# Altium PCB graviton.PcbDoc (part 9 of 15)
Units mm, origin at the board's own origin, x right, y up, seen from the top; angles counter-clockwise.
Board outline 200 x 200 mm, 10 copper layers (TOP, POLYGON1, S1, POLYGON2, POLYGON3, POLYGON4, POLYGON5, S2, POLYGON6, BOT), stack 1.751 mm thick; 1317 components, 712 nets, 5121 pads, 3994 vias.
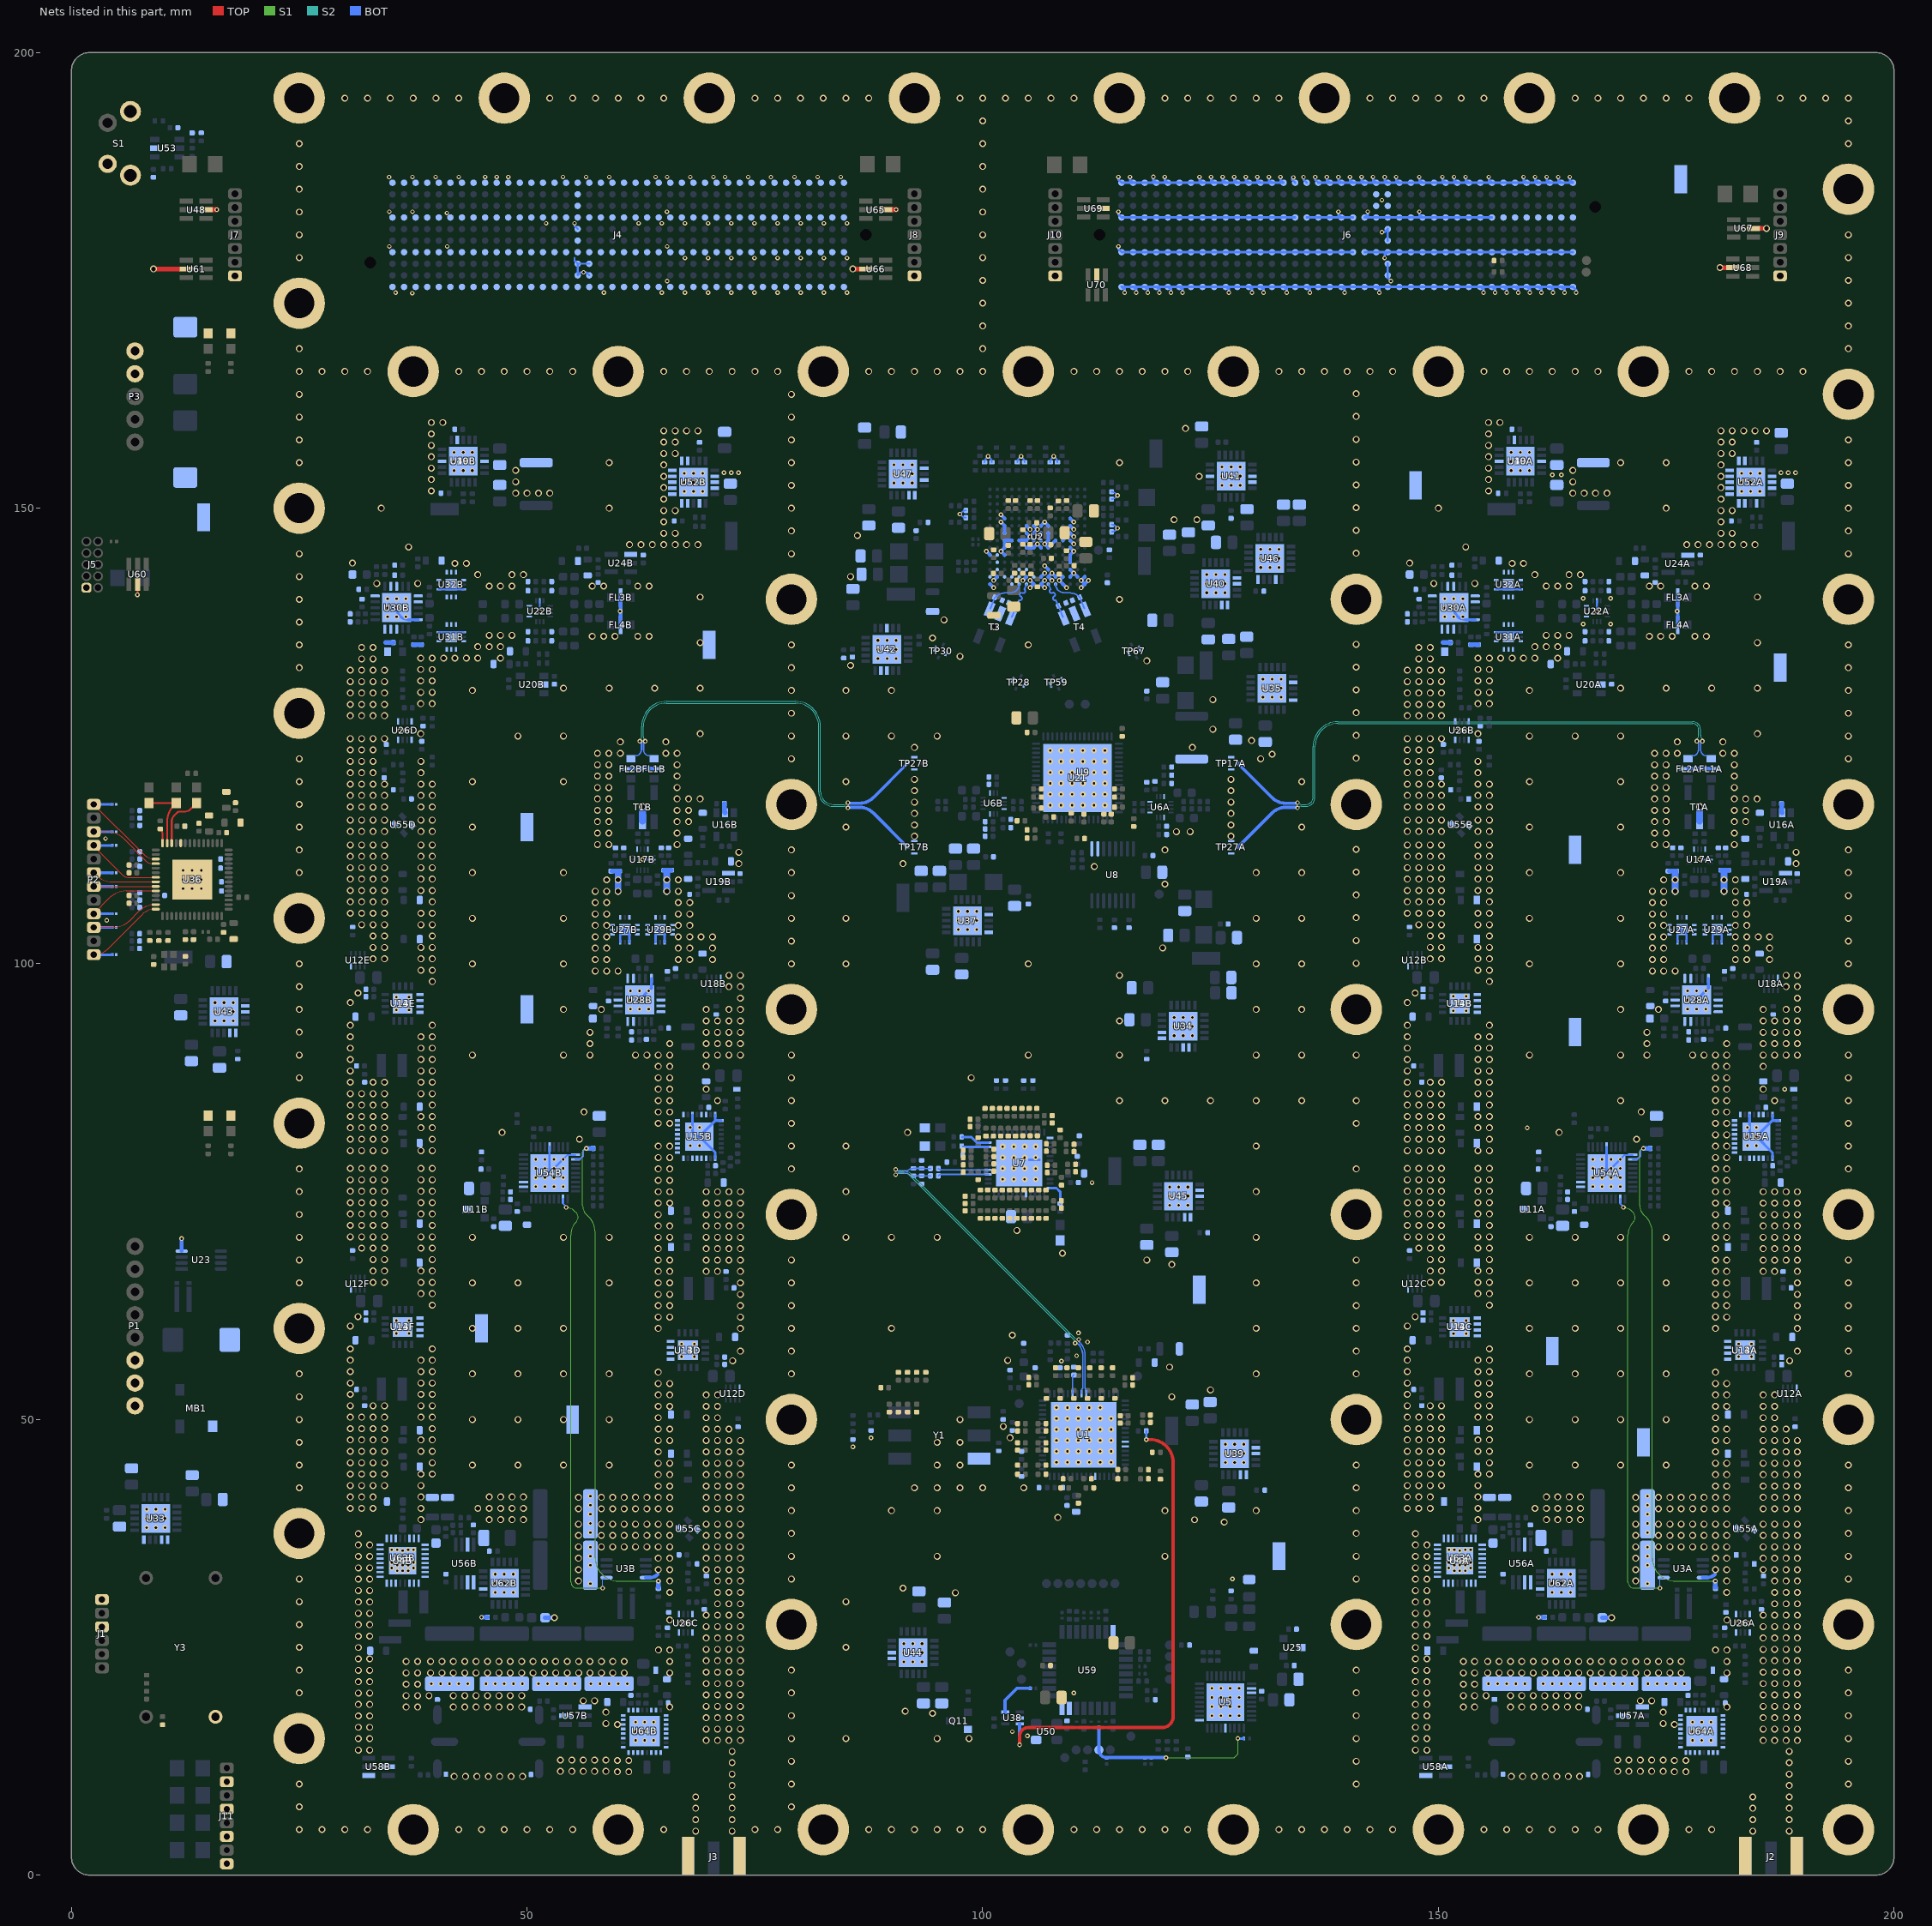
[diagram p17: the nets of this part, all layers, seen from the top]

## Via types
v1: diameter 0.75, hole 0.5, TOP to BOT, tented both sides, 2608 vias
v2: diameter 0.508, hole 0.254, TOP to BOT, tented both sides, 628 vias
v3: diameter 0.483, hole 0.254, TOP to BOT, tented both sides, 455 vias
v4: diameter 0.5, hole 0.3, TOP to BOT, tented both sides, 169 vias
v5: diameter 0.635, hole 0.254, TOP to BOT, tented both sides, 86 vias
v6: diameter 0.5, hole 0.254, TOP to BOT, tented both sides, 48 vias

## Nets (pads, with @x,y where several pads share a name; then routed paths per layer and width w, separated by ;. In a path a pad name is that pad's centre, name@x,y a point inside that pad or via, vN(x,y) a via of type N, cw(c..) or ccw(c..) an arc to the next point about the centre after c; other vN are vias at no path point) (continued)
GND: (continued)
  other v1: 68.5,4.84 72.5,4.84 184.5,4.84 188.5,4.84 25,5 27.5,5 30,5 32.5,5 42.5,5 45,5 47.5,5 50,5 52.5,5 55,5 65,5 75,5 77.5,5 87.5,5 90,5 92.5,5 95,5 97.5,5 100,5 110,5 112.5,5 115,5 117.5,5 120,5 122.5,5 132.5,5 135,5 137.5,5 140,5 142.5,5 145,5 155,5 157.5,5 160,5 162.5,5 165,5 167.5,5 177.5,5 180,5 68.5,6.09 72.5,6.09 184.5,6.09 188.5,6.09 68.5,7.34 72.5,7.34 184.5,7.34 188.5,7.34 25,7.5 79,7.5 68.5,8.59 72.5,8.59 184.5,8.59 188.5,8.59 72.5,9.84 188.5,9.84 25,10 79,10 141,10 195,10 42,10.825 43.25,10.825 44.5,10.825 45.75,10.825 47,10.825 48.25,10.825 49.5,10.825 158,10.825 159.25,10.825 160.5,10.825 161.75,10.825 163,10.825 164.25,10.825 165.5,10.825 72.5,11.09 188.5,11.09 59.91,11.338 61.16,11.338 175.91,11.338 177.16,11.338 53.66,11.388 54.91,11.388 56.16,11.388 57.41,11.388 58.66,11.388 169.66,11.388 170.91,11.388 172.16,11.388 173.41,11.388 174.66,11.388 72.5,12.34 188.5,12.34 79,12.5 141,12.5 195,12.5 59.91,12.588 61.16,12.588 175.91,12.588 177.16,12.588 53.66,12.638 54.91,12.638 56.16,12.638 57.41,12.638 58.66,12.638 169.66,12.638 170.91,12.638 172.16,12.638 173.41,12.638 174.66,12.638 72.5,13.59 188.5,13.59 31.485,13.73 32.735,13.73 147.485,13.73 148.735,13.73 69.65,14.778 70.9,14.778 72.15,14.778 73.4,14.778 185.65,14.778 186.9,14.778 188.15,14.778 189.4,14.778 31.485,14.98 32.735,14.98 147.485,14.98 148.735,14.98 79,15 85,15 95,15 98.5,15 141,15 195,15 69.65,16.028 70.9,16.028 72.15,16.028 73.4,16.028 185.65,16.028 186.9,16.028 188.15,16.028 189.4,16.028 31.485,16.23 32.735,16.23 147.485,16.23 148.735,16.23 59.91,16.538 175.91,16.538 58.66,16.638 174.66,16.638 69.65,17.278 70.9,17.278 72.15,17.278 73.4,17.278 185.65,17.278 186.9,17.278 188.15,17.278 189.4,17.278 31.485,17.48 32.735,17.48 147.485,17.48 148.735,17.48 79,17.5 141,17.5 195,17.5 94.5,17.75 58.66,17.888 174.66,17.888 91.5,18 36.735,18.45 37.985,18.45 41.91,18.45 43.16,18.45 44.41,18.45 45.66,18.45 46.91,18.45 48.16,18.45 49.41,18.45 65.66,18.45 152.735,18.45 153.985,18.45 157.91,18.45 159.16,18.45 160.41,18.45 161.66,18.45 162.91,18.45 164.16,18.45 165.41,18.45 181.66,18.45 69.65,18.528 70.9,18.528 72.15,18.528 73.4,18.528 185.65,18.528 186.9,18.528 188.15,18.528 189.4,18.528 31.485,18.73 32.735,18.73 147.485,18.73 148.735,18.73 56.16,19.138 57.41,19.138 172.16,19.138 173.41,19.138 36.735,19.7 37.985,19.7 39.235,19.7 41.91,19.7 43.16,19.7 44.41,19.7 45.66,19.7 46.91,19.7 48.16,19.7 49.41,19.7 152.735,19.7 153.985,19.7 155.235,19.7 157.91,19.7 159.16,19.7 160.41,19.7 161.66,19.7 162.91,19.7 164.16,19.7 165.41,19.7 69.65,19.778 70.9,19.778 72.15,19.778 73.4,19.778 185.65,19.778 186.9,19.778 188.15,19.778 189.4,19.778 31.485,19.98 32.735,19.98 147.485,19.98 148.735,19.98 25,20 79,20 141,20 195,20 36.735,20.95 37.985,20.95 152.735,20.95 153.985,20.95 69.65,21.028 70.9,21.028 72.15,21.028 73.4,21.028 185.65,21.028 186.9,21.028 188.15,21.028 189.4,21.028 31.485,21.23 32.735,21.23 147.485,21.23 148.735,21.23 36.735,22.2 37.985,22.2 39.41,22.2 40.66,22.2 41.91,22.2 43.16,22.2 44.41,22.2 45.66,22.2 46.91,22.2 48.16,22.2 49.41,22.2 50.66,22.2 51.91,22.2 53.16,22.2 54.41,22.2 55.66,22.2 56.91,22.2 58.16,22.2 59.41,22.2 60.66,22.2 65.66,22.2 152.735,22.2 153.985,22.2 155.41,22.2 156.66,22.2 157.91,22.2 159.16,22.2 160.41,22.2 161.66,22.2 162.91,22.2 164.16,22.2 165.41,22.2 166.66,22.2 167.91,22.2 169.16,22.2 170.41,22.2 171.66,22.2 172.91,22.2 174.16,22.2 175.41,22.2 176.66,22.2 181.66,22.2 69.65,22.278 70.9,22.278 72.15,22.278 73.4,22.278 185.65,22.278 186.9,22.278 188.15,22.278 189.4,22.278 25,22.5 31.485,22.48 32.735,22.48 79,22.5 141,22.5 147.485,22.48 148.735,22.48 195,22.5 36.735,23.45 37.985,23.45 39.41,23.45 40.66,23.45 41.91,23.45 43.16,23.45 44.41,23.45 45.66,23.45 46.91,23.45 48.16,23.45 49.41,23.45 50.66,23.45 51.91,23.45 53.16,23.45 54.41,23.45 55.66,23.45 56.91,23.45 58.16,23.45 59.41,23.45 60.66,23.45 65.66,23.45 152.735,23.45 153.985,23.45 155.41,23.45 156.66,23.45 157.91,23.45 159.16,23.45 160.41,23.45 161.66,23.45 162.91,23.45 164.16,23.45 165.41,23.45 166.66,23.45 167.91,23.45 169.16,23.45 170.41,23.45 171.66,23.45 172.91,23.45 174.16,23.45 175.41,23.45 176.66,23.45 181.66,23.45 69.65,23.528 70.9,23.528 72.15,23.528 73.4,23.528 185.65,23.528 186.9,23.528 188.15,23.528 189.4,23.528 31.485,23.73 32.735,23.73 147.485,23.73 148.735,23.73 64.41,24.7 65.66,24.7 180.41,24.7 181.66,24.7 69.65,24.778 70.9,24.778 72.15,24.778 73.4,24.778 185.65,24.778 186.9,24.778 188.15,24.778 189.4,24.778 31.485,24.98 147.485,24.98 25,25 85,25 69.65,26.028 70.9,26.028 72.15,26.028 73.4,26.028 185.65,26.028 186.9,26.028 188.15,26.028 189.4,26.028 31.485,26.23 32.735,26.23 147.485,26.23 148.735,26.23 69.65,27.278 70.9,27.278 72.15,27.278 73.4,27.278 185.65,27.278 186.9,27.278 188.15,27.278 189.4,27.278 31.485,27.48 32.735,27.48 147.485,27.48 148.735,27.48 25,27.5 65.66,28 181.66,28 69.65,28.528 70.9,28.528 72.15,28.528 73.4,28.528 185.65,28.528 186.9,28.528 188.15,28.528 189.4,28.528 31.485,28.73 32.735,28.73 147.485,28.73 148.735,28.73 70.9,29.778 72.15,29.778 73.4,29.778 186.9,29.778 188.15,29.778 189.4,29.778 31.485,29.98 32.735,29.98 147.485,29.98 148.735,29.98 25,30 85,30 97,31 65.65,31.028 70.9,31.028 72.15,31.028 73.4,31.028 181.65,31.028 186.9,31.028 188.15,31.028 189.4,31.028 31.485,31.23 32.735,31.23 147.485,31.23 148.735,31.23 91.25,31.5 55.65,32.278 65.65,32.278 70.9,32.278 72.15,32.278 73.4,32.278 171.65,32.278 181.65,32.278 186.9,32.278 188.15,32.278 189.4,32.278 31.485,32.48 32.735,32.48 147.485,32.48 148.735,32.48 25,32.5 79,32.5 141,32.5 195,32.5 55.65,33.528 64.4,33.528 65.65,33.528 69.65,33.528 70.9,33.528 72.15,33.528 73.4,33.528 171.65,33.528 180.4,33.528 181.65,33.528 185.65,33.528 186.9,33.528 188.15,33.528 189.4,33.528 31.485,33.73 32.735,33.73 147.485,33.73 148.735,33.73 55.65,34.778 64.4,34.778 65.65,34.778 69.65,34.778 70.9,34.778 72.15,34.778 73.4,34.778 171.65,34.778 180.4,34.778 181.65,34.778 185.65,34.778 186.9,34.778 188.15,34.778 189.4,34.778 31.485,34.98 32.735,34.98 147.485,34.98 148.735,34.98 79,35 95,35 120,35 141,35 195,35 55.65,36.028 58.15,36.028 59.4,36.028 60.65,36.028 61.9,36.028 63.15,36.028 64.4,36.028 65.65,36.028 69.65,36.028 70.9,36.028 72.15,36.028 73.4,36.028 171.65,36.028 174.15,36.028 175.4,36.028 176.65,36.028 177.9,36.028 179.15,36.028 180.4,36.028 181.65,36.028 185.65,36.028 186.9,36.028 188.15,36.028 189.4,36.028 31.485,36.23 32.735,36.23 147.485,36.23 148.735,36.23 55.65,37.278 58.15,37.278 59.4,37.278 60.65,37.278 61.9,37.278 63.15,37.278 64.4,37.278 65.65,37.278 69.65,37.278 70.9,37.278 72.15,37.278 73.4,37.278 171.65,37.278 174.15,37.278 175.4,37.278 176.65,37.278 177.9,37.278 179.15,37.278 180.4,37.278 181.65,37.278 185.65,37.278 186.9,37.278 188.15,37.278 189.4,37.278 31.485,37.48 147.485,37.48 79,37.5 141,37.5 195,37.5 55.65,38.528 58.15,38.528 59.4,38.528 60.65,38.528 61.9,38.528 63.15,38.528 64.4,38.528 65.65,38.528 69.65,38.528 70.9,38.528 72.15,38.528 73.4,38.528 171.65,38.528 174.15,38.528 175.4,38.528 176.65,38.528 177.9,38.528 179.15,38.528 180.4,38.528 181.65,38.528 185.65,38.528 186.9,38.528 188.15,38.528 189.4,38.528 126.5,38.75 38.35,39.006 45.85,39.006 47.1,39.006 48.35,39.006 49.6,39.006 123.25,39 154.35,39.006 161.85,39.006 163.1,39.006 164.35,39.006 165.6,39.006 108.25,39.25 79,40 90,40 95,40 120,40 130,40 141,40 195,40 55.65,40.2 58.15,40.2 59.4,40.2 60.65,40.2 61.9,40.2 63.15,40.2 64.4,40.2 65.65,40.2 69.65,40.2 70.9,40.2 72.15,40.2 73.4,40.2 171.65,40.2 174.15,40.2 175.4,40.2 176.65,40.2 177.9,40.2 179.15,40.2 180.4,40.2 181.65,40.2 185.65,40.2 186.9,40.2 188.15,40.2 189.4,40.2 30.6,40.256 31.85,40.256 33.1,40.256 38.35,40.256 44.6,40.256 45.85,40.256 47.1,40.256 48.35,40.256 49.6,40.256 146.6,40.256 147.85,40.256 149.1,40.256 154.35,40.256 160.6,40.256 161.85,40.256 163.1,40.256 164.35,40.256 165.6,40.256 55.65,41.45 58.15,41.45 59.4,41.45 60.65,41.45 61.9,41.45 63.15,41.45 64.4,41.45 65.65,41.45 69.65,41.45 70.9,41.45 72.15,41.45 73.4,41.45 171.65,41.45 174.15,41.45 175.4,41.45 176.65,41.45 177.9,41.45 179.15,41.45 180.4,41.45 181.65,41.45 185.65,41.45 186.9,41.45 188.15,41.45 189.4,41.45 30.6,41.506 31.85,41.506 33.1,41.506 38.35,41.506 45.85,41.506 47.1,41.506 48.35,41.506 49.6,41.506 146.6,41.506 147.85,41.506 149.1,41.506 154.35,41.506 161.85,41.506 163.1,41.506 164.35,41.506 165.6,41.506 25,42.5 79,42.5 92.5,42.5 95,42.5 97.5,42.5 100,42.5 104.5,42.5 141,42.5 195,42.5 64.4,42.7 65.65,42.7 69.65,42.7 70.9,42.7 72.15,42.7 73.4,42.7 180.4,42.7 181.65,42.7 185.65,42.7 186.9,42.7 188.15,42.7 189.4,42.7 30.6,42.756 31.85,42.756 33.1,42.756 34.35,42.756 38.35,42.756 146.6,42.756 147.85,42.756 149.1,42.756 150.35,42.756 154.35,42.756 64.4,43.95 65.65,43.95 69.65,43.95 70.9,43.95 72.15,43.95 73.4,43.95 180.4,43.95 181.65,43.95 185.65,43.95 186.9,43.95 188.15,43.95 189.4,43.95 30.6,44.006 31.85,44.006 33.1,44.006 34.35,44.006 38.35,44.006 39.6,44.006 146.6,44.006 147.85,44.006 149.1,44.006 150.35,44.006 154.35,44.006 155.6,44.006 25,45 44,45 49,45 54,45 59,45 79,45 95,45 97.5,45 141,45 160,45 165,45 170,45 175,45 195,45 64.4,45.2 65.65,45.2 69.65,45.2 70.9,45.2 72.15,45.2 73.4,45.2 180.4,45.2 181.65,45.2 185.65,45.2 186.9,45.2 188.15,45.2 189.4,45.2 30.6,45.256 31.85,45.256 33.1,45.256 34.35,45.256 39.6,45.256 146.6,45.256 147.85,45.256 149.1,45.256 150.35,45.256 155.6,45.256 64.4,46.45 69.65,46.45 70.9,46.45 72.15,46.45 73.4,46.45 180.4,46.45 185.65,46.45 186.9,46.45 188.15,46.45 189.4,46.45 30.6,46.506 31.85,46.506 33.1,46.506 34.35,46.506 38.35,46.506 39.6,46.506 146.6,46.506 147.85,46.506 149.1,46.506 150.35,46.506 154.35,46.506 155.6,46.506 25,47.5 95,47.5 97.5,47.5 64.4,47.7 65.65,47.7 69.65,47.7 70.9,47.7 72.15,47.7 73.4,47.7 180.4,47.7 181.65,47.7 185.65,47.7 186.9,47.7 188.15,47.7 189.4,47.7 30.6,47.756 31.85,47.756 33.1,47.756 34.35,47.756 38.35,47.756 39.6,47.756 146.6,47.756 147.85,47.756 149.1,47.756 150.35,47.756 154.35,47.756 155.6,47.756 103,48 64.4,48.95 65.65,48.95 69.65,48.95 70.9,48.95 72.15,48.95 180.4,48.95 181.65,48.95 185.65,48.95 186.9,48.95 188.15,48.95 30.6,49.006 31.85,49.006 33.1,49.006 34.35,49.006 39.6,49.006 146.6,49.006 147.85,49.006 149.1,49.006 150.35,49.006 155.6,49.006 102.25,49.25 25,50 44,50 49,50 54,50 59,50 97.5,50 160,50 165,50 170,50 175,50 64.4,50.2 69.65,50.2 70.9,50.2 180.4,50.2 185.65,50.2 186.9,50.2 30.6,50.256 31.85,50.256 33.1,50.256 34.35,50.256 38.35,50.256 39.6,50.256 146.6,50.256 147.85,50.256 149.1,50.256 150.35,50.256 154.35,50.256 155.6,50.256 64.4,51.45 65.65,51.45 69.65,51.45 70.9,51.45 180.4,51.45 181.65,51.45 185.65,51.45 186.9,51.45 30.6,51.506 33.1,51.506 34.35,51.506 38.35,51.506 39.6,51.506 146.6,51.506 149.1,51.506 150.35,51.506 154.35,51.506 155.6,51.506 25,52.5 120.75,52.5 64.4,52.7 65.65,52.7 69.65,52.7 70.9,52.7 180.4,52.7 181.65,52.7 185.65,52.7 186.9,52.7 30.6,52.756 38.35,52.756 39.6,52.756 146.6,52.756 154.35,52.756 155.6,52.756 125,53.25 64.4,53.95 65.65,53.95 180.4,53.95 181.65,53.95 30.6,54.006 38.35,54.006 39.6,54.006 146.6,54.006 154.35,54.006 155.6,54.006 25,55 44,55 49,55 54,55 59,55 79,55 130,55 141,55 160,55 165,55 170,55 175,55 195,55 64.4,55.2 180.4,55.2 30.6,55.256 38.35,55.256 39.6,55.256 146.6,55.256 154.35,55.256 155.6,55.256 120.5,55.75 72.55,56.45 188.55,56.45 30.6,56.506 38.35,56.506 39.6,56.506 102.75,56.5 146.6,56.506 154.35,56.506 155.6,56.506 73.4,57.494 79,57.5 141,57.5 189.4,57.494 195,57.5 30.6,57.756 39.6,57.756 146.6,57.756 155.6,57.756 103.25,59.25 44,60 49,60 54,60 64.4,59.994 73.4,59.994 79,60 90,60 130,60 141,60 160,60 165,60 170,60 175,60 180.4,59.994 189.4,59.994 195,60 30.6,60.256 146.6,60.256 64.4,61.244 65.65,61.244 73.4,61.244 180.4,61.244 181.65,61.244 189.4,61.244 31.45,61.3 147.45,61.3 64.4,62.494 65.65,62.494 73.4,62.494 79,62.5 141,62.5 180.4,62.494 181.65,62.494 189.4,62.494 195,62.5 39.6,62.55 155.6,62.55 64.4,63.744 65.65,63.744 73.4,63.744 180.4,63.744 181.65,63.744 189.4,63.744 38.35,63.8 39.6,63.8 154.35,63.8 155.6,63.8 64.4,64.994 65.65,64.994 73.4,64.994 180.4,64.994 181.65,64.994 189.4,64.994 25,65 44,65 49,65 59,65 79,65 130,65 141,65 160,65 165,65 170,65 175,65 195,65 33.1,65.05 34.35,65.05 38.35,65.05 39.6,65.05 149.1,65.05 150.35,65.05 154.35,65.05 155.6,65.05 64.4,66.244 65.65,66.244 69.65,66.244 70.9,66.244 73.4,66.244 180.4,66.244 181.65,66.244 185.65,66.244 186.9,66.244 189.4,66.244 33.1,66.3 34.35,66.3 38.35,66.3 39.6,66.3 149.1,66.3 150.35,66.3 154.35,66.3 155.6,66.3 120.75,67 25,67.5 64.4,67.494 65.65,67.494 69.65,67.494 70.9,67.494 72.15,67.494 73.4,67.494 79,67.5 118,67.5 141,67.5 180.4,67.494 181.65,67.494 185.65,67.494 186.9,67.494 188.15,67.494 189.4,67.494 195,67.5 33.1,67.55 34.35,67.55 39.6,67.55 149.1,67.55 150.35,67.55 155.6,67.55 108.75,68.25 64.4,68.744 69.65,68.744 70.9,68.744 72.15,68.744 73.4,68.744 180.4,68.744 185.65,68.744 186.9,68.744 188.15,68.744 189.4,68.744 31.85,68.8 33.1,68.8 34.35,68.8 38.35,68.8 39.6,68.8 147.85,68.8 149.1,68.8 150.35,68.8 154.35,68.8 155.6,68.8 25,70 44,70 54,70 59,70 64.4,69.994 65.65,69.994 69.65,69.994 70.9,69.994 72.15,69.994 73.4,69.994 85,70 90,70 95,70 130,70 160,70 165,70 170,70 175,70 180.4,69.994 181.65,69.994 185.65,69.994 186.9,69.994 188.15,69.994 189.4,69.994 30.6,70.05 31.85,70.05 33.1,70.05 34.35,70.05 38.35,70.05 39.6,70.05 146.6,70.05 147.85,70.05 149.1,70.05 150.35,70.05 154.35,70.05 155.6,70.05 103.75,70.75 64.4,71.244 65.65,71.244 69.65,71.244 70.9,71.244 72.15,71.244 73.4,71.244 180.4,71.244 181.65,71.244 185.65,71.244 186.9,71.244 188.15,71.244 189.4,71.244 30.6,71.3 31.85,71.3 33.1,71.3 34.35,71.3 39.6,71.3 146.6,71.3 147.85,71.3 149.1,71.3 150.35,71.3 155.6,71.3 25,72.5 64.4,72.494 69.65,72.494 70.9,72.494 72.15,72.494 73.4,72.494 180.4,72.494 185.65,72.494 186.9,72.494 188.15,72.494 189.4,72.494 30.6,72.55 31.85,72.55 33.1,72.55 34.35,72.55 38.35,72.55 39.6,72.55 146.6,72.55 147.85,72.55 149.1,72.55 150.35,72.55 154.35,72.55 155.6,72.55 64.4,73.744 65.65,73.744 69.65,73.744 70.9,73.744 72.15,73.744 73.4,73.744 180.4,73.744 181.65,73.744 185.65,73.744 186.9,73.744 188.15,73.744 189.4,73.744 30.6,73.8 31.85,73.8 33.1,73.8 34.35,73.8 38.35,73.8 39.6,73.8 146.6,73.8 147.85,73.8 149.1,73.8 150.35,73.8 154.35,73.8 155.6,73.8 25,75 64.4,74.994 65.65,74.994 69.65,74.994 70.9,74.994 72.15,74.994 73.4,74.994 85,75 130,75 180.4,74.994 181.65,74.994 185.65,74.994 186.9,74.994 188.15,74.994 189.4,74.994 30.6,75.05 31.85,75.05 33.1,75.05 34.35,75.05 38.35,75.05 39.6,75.05 146.6,75.05 147.85,75.05 149.1,75.05 150.35,75.05 154.35,75.05 155.6,75.05 64.4,76.244 65.65,76.244 180.4,76.244 181.65,76.244 30.6,76.3 31.85,76.3 33.1,76.3 34.35,76.3 38.35,76.3 39.6,76.3 146.6,76.3 147.85,76.3 149.1,76.3 150.35,76.3 154.35,76.3 155.6,76.3 64.4,77.494 65.65,77.494 180.4,77.494 181.65,77.494 25,77.5 79,77.5 141,77.5 195,77.5 30.6,77.55 31.85,77.55 33.1,77.55 34.35,77.55 38.35,77.55 39.6,77.55 146.6,77.55 147.85,77.55 149.1,77.55 150.35,77.55 154.35,77.55 155.6,77.55 64.4,78.744 65.65,78.744 180.4,78.744 181.65,78.744 30.6,79.506 31.85,79.506 33.1,79.506 34.35,79.506 38.35,79.506 39.6,79.506 146.6,79.506 147.85,79.506 149.1,79.506 150.35,79.506 154.35,79.506 155.6,79.506 64.4,79.994 65.65,79.994 79,80 85,80 130,80 180.4,79.994 181.65,79.994 195,80 30.6,80.756 31.85,80.756 33.1,80.756 34.35,80.756 39.6,80.756 55.751,80.749 146.6,80.756 147.85,80.756 149.1,80.756 150.35,80.756 155.6,80.756 171.751,80.749 180.4,81.244 181.65,81.244 47.25,81.5 91.75,81.5 163.25,81.5 30.6,82.006 31.85,82.006 33.1,82.006 34.35,82.006 38.35,82.006 39.6,82.006 146.6,82.006 147.85,82.006 149.1,82.006 150.35,82.006 154.35,82.006 155.6,82.006 64.4,82.494 65.65,82.494 180.4,82.494 181.65,82.494 79,82.5 141,82.5 195,82.5 30.6,83.256 31.85,83.256 33.1,83.256 34.35,83.256 38.35,83.256 39.6,83.256 146.6,83.256 147.85,83.256 149.1,83.256 150.35,83.256 154.35,83.256 155.6,83.256 56.25,83.75 64.4,83.744 65.65,83.744 172.25,83.75 180.4,83.744 181.65,83.744 30.6,84.506 31.85,84.506 33.1,84.506 34.35,84.506 39.6,84.506 146.6,84.506 147.85,84.506 149.1,84.506 150.35,84.506 155.6,84.506 64.4,84.994 65.65,84.994 70.9,84.994 79,85 115,85 120,85 125,85 130,85 135,85 141,85 170,85 180.4,84.994 181.65,84.994 186.9,84.994 195,85 30.6,85.756 31.85,85.756 33.1,85.756 34.35,85.756 38.35,85.756 39.6,85.756 146.6,85.756 147.85,85.756 149.1,85.756 150.35,85.756 154.35,85.756 155.6,85.756 64.4,86.244 65.65,86.244 69.65,86.244 180.4,86.244 181.65,86.244 185.65,86.244 30.6,87.006 33.1,87.006 34.35,87.006 38.35,87.006 39.6,87.006 146.6,87.006 149.1,87.006 150.35,87.006 154.35,87.006 155.6,87.006 25,87.5 64.4,87.494 65.65,87.494 79,87.5 98.75,87.5 180.4,87.494 181.65,87.494 195,87.5 30.6,88.256 38.35,88.256 39.6,88.256 146.6,88.256 154.35,88.256 155.6,88.256 64.4,88.744 65.65,88.744 69.65,88.744 180.4,88.744 181.65,88.744 185.65,88.744 30.6,89.506 38.35,89.506 39.6,89.506 146.6,89.506 154.35,89.506 155.6,89.506 25,90 44,90 54,90 56.9,89.994 61.9,89.994 63.15,89.994 64.4,89.994 65.65,89.994 69.65,89.994 70.9,89.994 72.15,89.994 73.4,89.994 79,90 105,90 115,90 130,90 135,90 141,90 160,90 170,90 172.9,89.994 177.9,89.994 179.15,89.994 180.4,89.994 181.65,89.994 185.65,89.994 186.9,89.994 188.15,89.994 189.4,89.994 195,90 30.6,90.756 38.35,90.756 39.6,90.756 146.6,90.756 154.35,90.756 155.6,90.756 56.9,91.244 65.65,91.244 69.65,91.244 70.9,91.244 72.15,91.244 73.4,91.244 172.9,91.244 181.65,91.244 185.65,91.244 186.9,91.244 188.15,91.244 189.4,91.244 30.6,92.006 38.35,92.006 39.6,92.006 146.6,92.006 154.35,92.006 155.6,92.006 25,92.5 56.9,92.494 69.65,92.494 70.9,92.494 72.15,92.494 73.4,92.494 172.9,92.494 185.65,92.494 186.9,92.494 188.15,92.494 189.4,92.494 30.6,93.256 39.6,93.256 146.6,93.256 155.6,93.256 69.65,93.744 70.9,93.744 72.15,93.744 73.4,93.744 115,93.75 185.65,93.744 186.9,93.744 188.15,93.744 189.4,93.744 58.15,94.994 69.65,94.994 72.15,94.994 73.4,94.994 174.15,94.994 185.65,94.994 188.15,94.994 189.4,94.994 25,95 54,95 130,95 135,95 170,95 30.6,95.756 146.6,95.756 73.4,96.244 189.4,96.244 31.45,96.8 147.45,96.8 25,97.5 72.15,97.494 73.4,97.494 188.15,97.494 189.4,97.494 39.6,98.05 155.6,98.05 72.15,98.744 73.4,98.744 115,98.75 188.15,98.744 189.4,98.744 57.485,99.221 58.735,99.221 59.985,99.221 173.485,99.221 174.735,99.221 175.985,99.221 38.35,99.3 39.6,99.3 154.35,99.3 155.6,99.3 25,100 44,100 54,100 79,100 85,100 105,100 130,100 135,100 160,100 170,100 195,100 140.976,100.062 57.485,100.471 58.735,100.471 66.595,100.471 67.845,100.471 70.345,100.471 173.485,100.471 174.735,100.471 182.595,100.471 183.845,100.471 186.345,100.471 33.1,100.55 34.35,100.55 38.35,100.55 39.6,100.55 149.1,100.55 150.35,100.55 154.35,100.55 155.6,100.55 57.485,101.721 58.735,101.721 66.595,101.721 67.845,101.721 70.345,101.721 173.485,101.721 174.735,101.721 182.595,101.721 183.845,101.721 186.345,101.721 119.75,101.75 33.1,101.8 34.35,101.8 38.35,101.8 39.6,101.8 149.1,101.8 150.35,101.8 154.35,101.8 155.6,101.8 79,102.5 195,102.5 140.976,102.562 57.485,102.971 58.735,102.971 66.595,102.971 67.845,102.971 69.095,102.971 70.345,102.971 173.485,102.971 174.735,102.971 182.595,102.971 183.845,102.971 185.095,102.971 186.345,102.971 33.1,103.05 34.35,103.05 39.6,103.05 149.1,103.05 150.35,103.05 155.6,103.05 57.485,104.221 58.735,104.221 66.595,104.221 67.845,104.221 173.485,104.221 174.735,104.221 182.595,104.221 183.845,104.221 31.85,104.3 33.1,104.3 34.35,104.3 38.35,104.3 39.6,104.3 147.85,104.3 149.1,104.3 150.35,104.3 154.35,104.3 155.6,104.3 44,105 54,105 79,105 85,105 130,105 135,105 160,105 170,105 195,105 140.976,105.062 57.485,105.471 58.735,105.471 66.595,105.471 67.845,105.471 173.485,105.471 174.735,105.471 182.595,105.471 183.845,105.471 30.6,105.55 31.85,105.55 33.1,105.55 34.35,105.55 38.35,105.55 39.6,105.55 146.6,105.55 147.85,105.55 149.1,105.55 150.35,105.55 154.35,105.55 155.6,105.55 57.485,106.721 58.735,106.721 66.595,106.721 67.845,106.721 173.485,106.721 174.735,106.721 182.595,106.721 183.845,106.721 30.6,106.8 31.85,106.8 33.1,106.8 34.35,106.8 39.6,106.8 146.6,106.8 147.85,106.8 149.1,106.8 150.35,106.8 155.6,106.8 79,107.5 195,107.5 140.976,107.562 